# Altium PCB IRVT-001.PcbDoc (part 4 of 4) (continued)
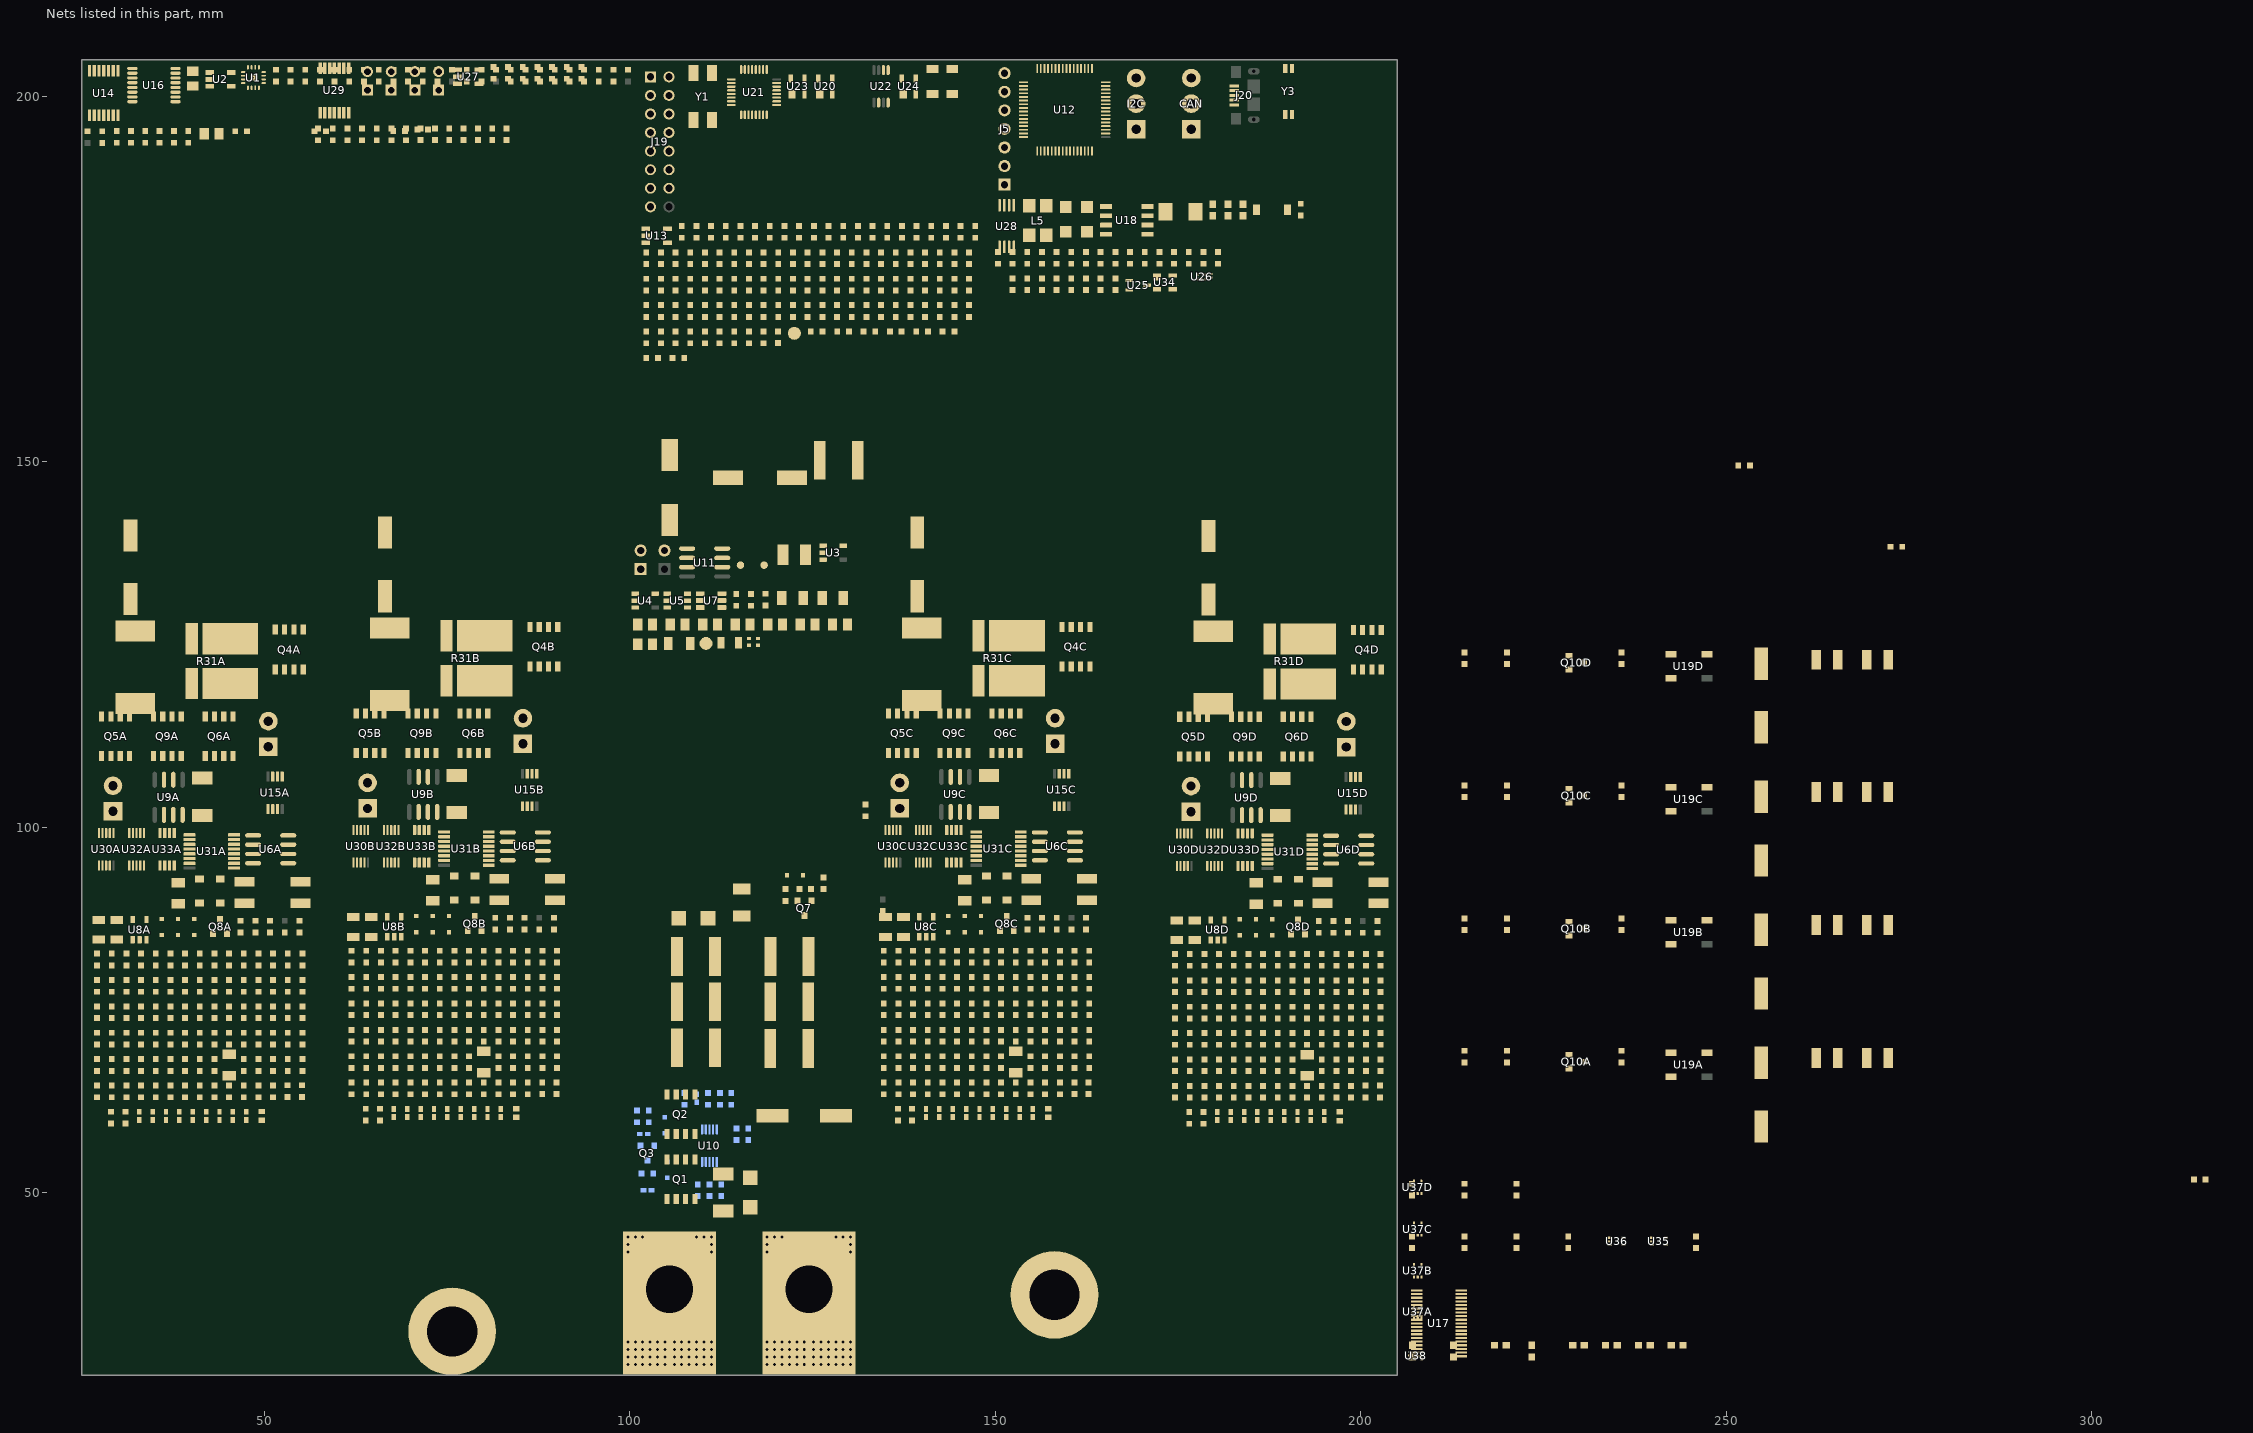
[diagram p5: the nets of this part, all layers, seen from the top]
## Part data (continued)
Y2: "Crystal, 25 MHz, 18 pF, SMD", Frequency="25 MHz", Frequency Stability=±30ppm, Manufacturer="Abracon Corportation", Supplier Part Number 1=535-10645-1-ND, ComponentLink1Description="Datasheet Link", ComponentLink1URL=http://www.abracon.com/Resonators/abm3.pdf, CompType=Crystal, LatestRevisionDate=2015-10-19, MountType=SMT, PackageReference=ABM3, PartNumber=ABM3-25.000MHZ-D2Y-T, Publisher="Texas Instruments", RoHS=Y, Supplier 1=Digi-Key, Supplier 2=Mouser, Supplier 3=Farnell, Supplier Part Number 2=815-ABM3-25-D2Y-T, Supplier Part Number 3=2101328, SymbolCreator=a0412235, SymbolVersion=2008-07-09, TaMax_C=85, TaMin_C=-40, U/M=EA
Y3: "CRYSTAL, 32.768KHZ, 7PF, SMD", Frequency=32.768KHZ, Frequency Stability=±20ppm, Manufacturer="Seiko Instruments", Supplier Part Number 1=728-1065-1-ND, ComponentLink1Description="Datasheet Link", ComponentLink1URL=http://www.sii.co.jp/data/file_PRODUCT_MASTER_1309_GRAPHIC03.pdf, CompType=Crystal, LatestRevisionDate=2015-10-19, MountType=SMT, PackageReference=1.5x1.4x6.7mm, PartNumber=SSPT7F-7PF20-R, Publisher="Texas Instruments", RoHS=Y, Supplier 1=Digi-Key, Supplier 2=Mouser, Supplier Part Number 2=628-SSPT7F-7PF20PPM, SymbolCreator=x0208325, SymbolVersion=2014-01-08, TaMax_C=85, TaMin_C=-40, U/M=EA

## Via types
v1: diameter 0.813, hole 0.406, Top Layer to Bottom Layer, 116 vias

## Nets (pads, with @x,y where several pads share a name; then routed paths per layer and width w, separated by ;. In a path a pad name is that pad's centre, name@x,y a point inside that pad or via, vN(x,y) a via of type N, cw(c..) or ccw(c..) an arc to the next point about the centre after c; other vN are vias at no path point)
12VA: C43A.1 C43B.1 C43C.1 C43D.1 C119A.1 C119B.1 C119C.1 C119D.1 C120A.2 C120B.2 C120C.2 C120D.2 C121A.2 C121B.2 C121C.2 C121D.2
+1.65v: C125.2 C128.1 R91.2 R107.2 R140.2 R142.2 U27.1 U27.4
+3.3v: C52.2 C103.2 C104.2 C105.2 C106.2 C130.1 C162.2 C163.1 C164.2 C174.1 C175.1 C176.2 C182.2 L2.2 NT1.2 NT2.2 NT3.2 NT4.2 R14.1 R15.1 R47.1 R76.1 R78.1 R121.2 R122.2 R123.2 R151.2 R152.2 R168.1 R170.2 R171.2 R188.2 U1.16 U5.3 U12.2 U12.11 U12.26 U12.42 U12.54 U18.3 U21.15 U21.29 U27.5 U28.8 U29.11
+5V: C30A.2 C30B.2 C30C.2 C30D.2 U19A.1 U19B.1 U19C.1 U19D.1
+5VA: C1.1 C19.1 C58.1 C59.1 C60.1 C61.1 C62.1 C75.1 C76.1 C83.2 C133.1 C134.1 C135.1 C136.1 C137.1 C138.1 C139.1 C140.1 C141.1 L1.1 R10.1 R38A.2 R38B.2 R38C.2 R38D.2 R50.2 R58.2 R70.1 R87A.2 R87B.2 R87C.2 R87D.2 R116.2 R131.2 R165.2 R186.2 R187.2 U7.5 U13.2 U16.14 U17.20 U17.25 U17.30 U17.35 U20.4 U21.9 U23.4 U24.4 U34.4
+5VD: R164.2
+9VA: C34.1 C36.1 J4.2 R67A.2 R67B.2 R67C.2 R67D.2 R74A.1 R74B.1 R74C.1 R74D.1 R155A.1 R155B.1 R155C.1 R155D.1 R174A.1 R174B.1 R174C.1 R174D.1 R181A.1 R181B.1 R181C.1 R181D.1 R182A.2 R182B.2 R182C.2 R182D.2 R183A.2 R183B.2 R183C.2 R183D.2 U3.1 U4.1 U6A.7 U6B.7 U6C.7 U6D.7 U8A.5 U8B.5 U8C.5 U8D.5
-5.0v: C84.1 C94.2 U16.3
-5V: C47A.1 C47B.1 C47C.1 C47D.1 C122A.2 C122B.2 C122C.2 C122D.2 J16.1 U6A.4 U6B.4 U6C.4 U6D.4
-5VA: U8A.2 U8B.2 U8C.2 U8D.2
ADC.CS: J19.6 U12.20
ADC.DONE: J19.12 U12.47
ADC.DRDY: J19.10 U12.48
ADC.MISO: J19.2 U12.22
ADC.MOSI: J19.4 U12.21
ADC.SCLK: J19.8 U12.19
ADC_SPI_CS: J19.5 U21.23
ADC_SPI_DONE: J19.11 R123.1 U21.18
ADC_SPI_DRDY: J19.9 U21.19
ADC_SPI_MISO: J19.1 R122.1 U21.21
ADC_SPI_MOSI: J19.3 U21.20
ADC_SPI_SCLK: J19.7 R138.2 U21.22
ADC_VCOM: C68.1 R20.1 R68.2 R72.1 R73.2 U13.1 U13.4
ADC_VREF: C155.1 R3.1 R133.2 U21.14
AGND: C1.2 C2.2 C3.2 C13.2 C14.2 C16.1 C19.2 C22.2 C26.1 C28.2 C34.2 C35.2 C36.2 C37.2 C43A.2 C43B.2 C43C.2 C43D.2 C44.1 C45A.2 C45B.2 C45C.2 C45D.2 C46A.2 C46B.2 C46C.2 C46D.2 C47A.2 C47B.2 C47C.2 C47D.2 C50.2 C51.1 C52.1 C53.1 C55A.1 C55B.1 C55C.1 C55D.1 C56A.2 C56B.2 C56C.2 C56D.2 C58.2 C59.2 C60.2 C61.2 C62.2 C67.2 C68.2 C70.2 C71.2 C73.1 C75.2 C76.2 C78.2 C79A.2 C79B.2 C79C.2 C79D.2 C82A.2 C82B.2 C82C.2 C82D.2 C83.1 C84.2 C85A.1 C85B.1 C85C.1 C85D.1 C86A.2 C86B.2 C86C.2 C86D.2 C88A.1 C88B.1 C88C.1 C88D.1 C89A.1 C89B.1 C89C.1 C89D.1 C90A.1 C90B.1 C90C.1 C90D.1 C91A.2 C91B.2 C91C.2 C91D.2 C94.1 C95A.1 C95B.1 C95C.1 C95D.1 C96A.1 C96B.1 C96C.1 C96D.1 C99A.2 C99B.2 C99C.2 C99D.2 C100A.2 C100B.2 C100C.2 C100D.2 C115.1 C116.2 C117.1 C119A.2 C119B.2 C119C.2 C119D.2 C120A.1 C120B.1 C120C.1 C120D.1 C121A.1 C121B.1 C121C.1 C121D.1 C122A.1 C122B.1 C122C.1 C122D.1 C123.2 C125.1 C126.1 C127.2 C128.2 C129.1 C130.2 C131.2 C132.2 C133.2 C134.2 C135.2 C136.2 C137.2 C138.2 C139.2 C140.2 C141.2 C145.1 C146.1 C149.1 C152.2 C153.2 C155.2 C156.2 C157.2 C158.2 C159.2 C160.2 C161.2 C162.1 C163.2 C164.1 J19.13 J19.14 J19.15 NT5.1 R55.1 R63.1 R71.2 R80.1 R89A.1 R89B.1 R89C.1 R89D.1 R98.2 R99.2 R100A.1 R100B.1 R100C.1 R100D.1 R105.2 R106.1 R126.1 R138.1 R139.1 R144.1 R145.1 R161.2 R162.2 R166A.2 R166B.2 R166C.2 R166D.2 R175A.2 R175B.2 R175C.2 R175D.2 R176A.2 R176B.2 R176C.2 R176D.2 U1.6 U1.17 U2.5 U3.2 U4.2 U5.2 U7.1 U9A.4 U9B.4 U9C.4 U9D.4 U11.2 U11.3 U11.6 U11.7 U12.3 U13.5 U14.11 U16.15 U17.5 U17.10 U17.15 U17.23 U17.24 U17.28 U17.29 U17.33 U17.34 U17.38 U20.1 U21.10 U21.11 U21.13 U21.27 U21.31 U21.32 U22.4 U23.1 U24.1 U27.2 U29.4 U31A.9 U31A.10 U31B.9 U31B.10 U31C.9 U31C.10 U31D.9 U31D.10 U33A.4 U33B.4 U33C.4 U33D.4 U34.1 U35.2 U36.2 U37A.2 U37B.2 U37C.2 U37D.2 Y1.2 Y1.4
BATA_N: BN1A.2 C48A.2 R159A.2 R177A.2 U37A.1
BATA_P: BP1A.1 C48A.1 F1A.2 R157A.2 U37A.4
BATB_N: BN1B.2 C48B.2 R159B.2 R177B.2 U37B.1
BATB_P: BP1B.1 C48B.1 F1B.2 R157B.2 U37B.4
BATC_N: BN1C.2 C48C.2 R159C.2 R177C.2 U37C.1
BATC_P: BP1C.1 C48C.1 F1C.2 R157C.2 U37C.4
BATD_N: BN1D.2 C48D.2 R159D.2 R177D.2 U37D.1
BATD_P: BP1D.1 C48D.1 F1D.2 R157D.2 U37D.4
CAN0.RX: U12.59 U18.4
CAN0.TX: U12.60 U18.1
CAN_EXT_N: C173.1 CAN.2 L5.2 R150.1 U25.1
CAN_EXT_P: C165.1 CAN.1 L5.3 R148.2 U25.2
CAN_INT_N: L5.1 U18.6
CAN_INT_P: L5.4 U18.7
CCA: C93A.1 D17A.1 R101A.2 U9A.6
CCB: C93B.1 D17B.1 R101B.2 U9B.6
CCC: C93C.1 D17C.1 R101C.2 U9C.6
CCD: C93D.1 D17D.1 R101D.2 U9D.6
CHARGE.EnableA: R7A.1 R44A.1 U12.64
CHARGE.EnableB: R7B.1 R44B.1 U12.62
CHARGE.EnableC: R7C.1 R44C.1 U12.13
CHARGE.EnableD: R7D.1 R44D.1 U12.15
CHG.ENA: D10A.2 Q10A.3 R44A.2 U30A.7
CHG.ENB: D10B.2 Q10B.3 R44B.2 U30B.7
CHG.ENC: D10C.2 Q10C.3 R44C.2 U30C.7
CHG.END: D10D.2 Q10D.3 R44D.2 U30D.7
CSA_N: R31A.3 R60A.1
CSA_P: R31A.4 R61A.1
CSB_N: R31B.3 R60B.1
CSB_P: R31B.4 R61B.1
CSC_N: R31C.3 R60C.1
CSC_P: R31C.4 R61C.1
CSD_N: R31D.3 R60D.1
CSD_P: R31D.4 R61D.1
CVA: C170A.1 D18A.1 R184A.2 U33A.7
CVB: C170B.1 D18B.1 R184B.2 U33B.7
CVC: C170C.1 D18C.1 R184C.2 U33C.7
CVD: C170D.1 D18D.1 R184D.2 U33D.7
DAC.CS: R14.2 U1.12 U12.57
DAC.MISO: R15.2 U1.15 U12.4
DAC.MOSI: R76.2 U1.14 U12.1
DAC.SCLK: R78.2 U1.13 U12.58
DGND: C102.1 C103.1 C104.1 C105.1 C106.1 C107.2 C108.2 C109.1 C110.2 C111.2 C112.1 C113.1 C114.1 C165.2 C172.1 C173.2 C174.2 C175.2 C176.1 C182.1 CAN.3 I2C.3 J20.5 NT5.2 R147.1 R189.2 S2.1 U12.12 U12.27 U12.35 U12.39 U12.55 U18.2 U25.3 U26.4 U28.1 U28.2 U28.3 U28.4 U38.2 Y3.2 Y3.3
FAULT: R26.1 U12.28
FAULTA: C177A.2 Q10A.1 R7A.2 R8A.2 R158A.1
FAULTB: C177B.2 Q10B.1 R7B.2 R8B.2 R158B.1
FAULTC: C177C.2 Q10C.1 R7C.2 R8C.2 R158C.1
FAULTD: C177D.2 Q10D.1 R7D.2 R8D.2 R158D.1
GND: C30A.1 C30B.1 C30C.1 C30D.1
I2C1.SCL: U12.23
I2C1.SDA: U12.24
I2C_SCL: I2C.1 R152.1 U28.6 U38.4
I2C_SDA: I2C.2 R151.1 U28.5 U38.5
IBAT: R48.1 R114.1 U16.8
IN_EN: U10.5 U12.5
IOUT_SenseA: R86A.1 R88A.1 U6A.6
IOUT_SenseB: R86B.1 R88B.1 U6B.6
IOUT_SenseC: R86C.1 R88C.1 U6C.6
IOUT_SenseD: R86D.1 R88D.1 U6D.6
IREF_1: L7.1 R81.2 U14.1 U20.2
IREF_2: L9.1 R109.2 U14.7 U23.2
IREF_3: L11.1 R82.2 U14.8 U24.2
IREF_4: L13.1 R146.2 U14.14 U34.2
IREF_DAC_1: R85.1 U1.8
IREF_DAC_2: R156.1 U1.9
IREF_DAC_3: R97.1 U1.10
IREF_DAC_4: R160.1 U1.11
IREF_VCOM: C71.1 C116.1 R41.1 R79.2 R80.2 R112.1 U6A.5 U6B.5 U6C.5 U6D.5
ISenseA: U16.4
ISenseB: U16.5
ISenseC: U16.6
ISenseD: U16.7
ISetA: C22.1 L7.2 R77A.1 U35.3
ISetB: C28.1 L9.2 R77B.1 U35.5
ISetC: C123.1 L11.2 R77C.1 U36.3
ISetD: C127.1 L13.2 R77D.1 U36.5
JTAG_RESET: J5.1 R172.1 S2.2
JTAG_TCK: J5.5 U12.52
JTAG_TDI: J5.3 U12.50
JTAG_TDO: J5.2 U12.49
JTAG_TMS: J5.4 U12.51
LED.SDIA: U12.10 U19A.4
LED.SDIB: U19A.2 U19B.4
LED.SDIC: U19B.2 U19C.4
LED.SDID: U19C.2 U19D.4
LED.SDOD: U12.53 U19D.2
MUX.IN.A0: U12.29 U16.1
MUX.IN.A1: U12.30 U16.16
MUX.IN.EN: U12.31 U16.2
NetC2_1: C2.1 C70.1 R4.1 U2.3
NetC3_1: C3.1 C73.2 L1.2 U1.7
NetC4_1: C4.1 C5.1 C6.1 C7.1 C8.1 C9.1 C15.1 D3.1 D22.2 L3.1 Q2.5 Q2.6 Q2.7 Q2.8 R22.1
NetC10A_1: C10A.1 C11A.1 C12A.1 D1A.1 Q6A.5 Q6A.6 Q6A.7 Q6A.8 R35A.2
NetC10B_1: C10B.1 C11B.1 C12B.1 D1B.1 Q6B.5 Q6B.6 Q6B.7 Q6B.8 R35B.2
NetC10C_1: C10C.1 C11C.1 C12C.1 D1C.1 Q6C.5 Q6C.6 Q6C.7 Q6C.8 R35C.2
NetC10D_1: C10D.1 C11D.1 C12D.1 D1D.1 Q6D.5 Q6D.6 Q6D.7 Q6D.8 R35D.2
NetC17A_1: C17A.1 C20A.1 C24A.1 L4A.2 R31A.2
NetC17B_1: C17B.1 C20B.1 C24B.1 L4B.2 R31B.2
NetC17C_1: C17C.1 C20C.1 C24C.1 L4C.2 R31C.2
NetC17D_1: C17D.1 C20D.1 C24D.1 L4D.2 R31D.2
NetC18_1: C18.1 C21.1 R12.1 R41.2 U17.13
NetC18_2: C18.2 R40.1 U17.26
NetC21_2: C21.2 C25.1 R48.2 R52.1 U17.12
NetC23_1: C23.1 R5.2 U21.8
NetC23_2: C23.2 R6.2 U21.7
NetC25_2: C25.2 R49.1 U17.27
NetC27_1: C27.1 C41.1 R53.1 R55.2 U17.18
NetC27_2: C27.2 R54.1 U17.21
NetC29_1: C29.1 D21.1 Q3.1 R16.1
NetC31_2: C31.2 Q7.1 R18.1 R19.1
NetC32_2: C32.2 U10.7
NetC33_2: C33.2 R23.1 R27.1 U10.3
NetC35_1: C35.1 R164.1 U3.5
NetC37_1: C37.1 R165.1 U4.5
NetC41_2: C41.2 C42.1 R56.2 R59.1 U17.17
NetC42_2: C42.2 R57.1 U17.22
NetC45A_1: C45A.1 C81A.1 R102A.2 U6A.2
NetC45B_1: C45B.1 C81B.1 R102B.2 U6B.2
NetC45C_1: C45C.1 C81C.1 R102C.2 U6C.2
NetC45D_1: C45D.1 C81D.1 R102D.2 U6D.2
NetC46A_1: C46A.1 C81A.2 R104A.2 U6A.3
NetC46B_1: C46B.1 C81B.2 R104B.2 U6B.3
NetC46C_1: C46C.1 C81C.2 R104C.2 U6C.3
NetC46D_1: C46D.1 C81D.2 R104D.2 U6D.3
NetC49_1: C49.1 U5.1
NetC49_2: C49.2 L2.1 U5.6
NetC50_1: C50.1 U11.1
NetC55A_2: C55A.2 R77A.2 U9A.3
NetC55B_2: C55B.2 R77B.2 U9B.3
NetC55C_2: C55C.2 R77C.2 U9C.3
NetC55D_2: C55D.2 R77D.2 U9D.3
NetC56A_1: C56A.1 C88A.2 R38A.1 U9A.7
NetC56B_1: C56B.1 C88B.2 R38B.1 U9B.7
NetC56C_1: C56C.1 C88C.2 R38C.1 U9C.7
NetC56D_1: C56D.1 C88D.2 R38D.1 U9D.7
NetC63_1: C63.1 R13.2
NetC63_2: C63.2 R1.1 R20.2
NetC64_1: C64.1 R1.2 U21.6
NetC64_2: C64.2 R2.2 U21.5
NetC65_1: C65.1 R69.2
NetC65_2: C65.2 R2.1 R68.1
NetC66_1: C66.1 R46.2
NetC66_2: C66.2 R5.1 R72.2
NetC67_1: C67.1 R3.2 R70.2 R71.1 U13.3
NetC69_1: C69.1 R51.2
NetC69_2: C69.2 R6.1 R73.1
NetC72_1: C72.1 D24.1 U10.2
NetC74A_1: C74A.1 D8A.1 Q8A.1 R34A.1
NetC74B_1: C74B.1 D8B.1 Q8B.1 R34B.1
NetC74C_1: C74C.1 D8C.1 Q8C.1 R34C.1
NetC74D_1: C74D.1 D8D.1 Q8D.1 R34D.1
NetC77_1: C77.1 U7.6
NetC77_2: C77.2 U7.3
NetC78_1: C78.1 J16.2 U7.2 V-5.1
NetC79A_1: C79A.1 C80A.1 R60A.2 R102A.1
NetC79B_1: C79B.1 C80B.1 R60B.2 R102B.1
NetC79C_1: C79C.1 C80C.1 R60C.2 R102C.1
NetC79D_1: C79D.1 C80D.1 R60D.2 R102D.1
NetC80A_2: C80A.2 C82A.1 R61A.2 R104A.1
NetC80B_2: C80B.2 C82B.1 R61B.2 R104B.1
NetC80C_2: C80C.2 C82C.1 R61C.2 R104C.1
NetC80D_2: C80D.2 C82D.1 R61D.2 R104D.1
NetC85A_2: C85A.2 C86A.1 R87A.1 U15A.1
NetC85B_2: C85B.2 C86B.1 R87B.1 U15B.1
NetC85C_2: C85C.2 C86C.1 R87C.1 U15C.1
NetC85D_2: C85D.2 C86D.1 R87D.1 U15D.1
NetC87A_2: C87A.2 R43A.2 R67A.1 U8A.1
NetC87B_2: C87B.2 R43B.2 R67B.1 U8B.1
NetC87C_2: C87C.2 R43C.2 R67C.1 U8C.1
NetC87D_2: C87D.2 R43D.2 R67D.1 U8D.1
NetC89A_2: C89A.2 R86A.2 U15A.3
NetC89B_2: C89B.2 R86B.2 U15B.3
NetC89C_2: C89C.2 R86C.2 U15C.3
NetC89D_2: C89D.2 R86D.2 U15D.3
NetC90A_2: C90A.2 C118A.2 C170A.2 R96A.2 R176A.1 U33A.6
NetC90B_2: C90B.2 C118B.2 C170B.2 R96B.2 R176B.1 U33B.6
NetC90C_2: C90C.2 C118C.2 C170C.2 R96C.2 R176C.1 U33C.6
NetC90D_2: C90D.2 C118D.2 C170D.2 R96D.2 R176D.1 U33D.6
NetC91A_1: C91A.1 R95A.2
NetC91B_1: C91B.1 R95B.2
NetC91C_1: C91C.1 R95C.2
NetC91D_1: C91D.1 R95D.2
NetC92A_1: C92A.1 R101A.1
NetC92A_2: C92A.2 C93A.2 R88A.2 U9A.2
NetC92B_1: C92B.1 R101B.1
NetC92B_2: C92B.2 C93B.2 R88B.2 U9B.2
NetC92C_1: C92C.1 R101C.1
NetC92C_2: C92C.2 C93C.2 R88C.2 U9C.2
NetC92D_1: C92D.1 R101D.1
NetC92D_2: C92D.2 C93D.2 R88D.2 U9D.2
NetC95A_2: C95A.2 R93A.2 U33A.5
NetC95B_2: C95B.2 R93B.2 U33B.5
NetC95C_2: C95C.2 R93C.2 U33C.5
NetC95D_2: C95D.2 R93D.2 U33D.5
NetC96A_2: C96A.2 R94A.2 R175A.1 U15A.5
NetC96B_2: C96B.2 R94B.2 R175B.1 U15B.5
NetC96C_2: C96C.2 R94C.2 R175C.1 U15C.5
NetC96D_2: C96D.2 R94D.2 R175D.1 U15D.5
NetC97A_1: C97A.1 D15A.1 R39A.2 R42A.1 R181A.2 U32A.2
NetC97B_1: C97B.1 D15B.1 R39B.2 R42B.1 R181B.2 U32B.2
NetC97C_1: C97C.1 D15C.1 R39C.2 R42C.1 R181C.2 U32C.2
NetC97D_1: C97D.1 D15D.1 R39D.2 R42D.1 R181D.2 U32D.2
NetC98A_2: C98A.2 U32A.7
NetC98B_2: C98B.2 U32B.7
NetC98C_2: C98C.2 U32C.7
NetC98D_2: C98D.2 U32D.7
NetC99A_1: C99A.1 R155A.2 U33A.8
NetC99B_1: C99B.1 R155B.2 U33B.8
NetC99C_1: C99C.1 R155C.2 U33C.8
NetC99D_1: C99D.1 R155D.2 U33D.8
NetC101A_1: C101A.1 R92A.1 U31A.2 U31A.14 U31A.15
NetC101B_1: C101B.1 R92B.1 U31B.2 U31B.14 U31B.15
NetC101C_1: C101C.1 R92C.1 U31C.2 U31C.14 U31C.15
NetC101D_1: C101D.1 R92D.1 U31D.2 U31D.14 U31D.15
NetC102_2: C102.2 R168.2 U12.37
NetC107_1: C107.1 C108.1 C109.2 U12.25 U12.56
NetC110_1: C110.1 U12.40 Y2.2
NetC111_1: C111.1 R169.1 Y2.1
NetC112_2: C112.2 R170.1 R172.2 U12.38
NetC113_2: C113.2 U12.36 Y3.1
NetC114_2: C114.2 U12.34 Y3.4
NetC115_2: C115.2 R186.1 U2.2
NetC117_2: C117.2 R187.1 U14.4
NetC118A_1: C118A.1 R184A.1
NetC118B_1: C118B.1 R184B.1
NetC118C_1: C118C.1 R184C.1
NetC118D_1: C118D.1 R184D.1
NetC124A_1: C124A.1 U31A.5
NetC124A_2: C124A.2 C169A.2 R179A.1 U31A.1 U31A.4 U31A.7 U31A.13 U31A.16
NetC124B_1: C124B.1 U31B.5
NetC124B_2: C124B.2 C169B.2 R179B.1 U31B.1 U31B.4 U31B.7 U31B.13 U31B.16
NetC124C_1: C124C.1 U31C.5
NetC124C_2: C124C.2 C169C.2 R179C.1 U31C.1 U31C.4 U31C.7 U31C.13 U31C.16
NetC124D_1: C124D.1 U31D.5
NetC124D_2: C124D.2 C169D.2 R179D.1 U31D.1 U31D.4 U31D.7 U31D.13 U31D.16
NetC129_2: C129.2 R47.2 R105.1 U27.3
NetC142_1: C142.1 C143.1 R111.1 R112.2 U17.3
NetC142_2: C142.2 R113.1 U17.36
NetC143_2: C143.2 C144.1 R114.2 R117.1 U17.2
NetC144_2: C144.2 R115.1 U17.37
NetC145_2: C145.2 C146.2 U21.12
NetC147_1: C147.1 R118.2 U21.1
NetC147_2: C147.2 R119.2 U21.2
NetC148_1: C148.1 R125.2 U21.3
NetC148_2: C148.2 R127.2 U21.4
NetC149_2: C149.2 R121.1 U21.17
NetC150_1: C150.1 C151.1 R124.1 R126.2 U17.8
NetC150_2: C150.2 R128.1 U17.31
NetC151_2: C151.2 C154.1 R129.2 R132.1 U17.7
NetC152_1: C152.1 R135.2 Y1.1
NetC153_1: C153.1 R136.1 Y1.3
NetC154_2: C154.2 R130.1 U17.32
NetC156_1: C156.1 U21.28
NetC157_1: C157.1 U22.5
NetC158_1: C158.1 C159.1 R133.1 R134.2 U22.6 VREF_ADC.1
NetC161_1: C161.1 R134.1
NetC166A_2: C166A.2 R29A.2
NetC166B_2: C166B.2 R29B.2
NetC166C_2: C166C.2 R29C.2
NetC166D_2: C166D.2 R29D.2
NetC167A_1: C167A.1 D11A.1 U30A.2
NetC167B_1: C167B.1 D11B.1 U30B.2
NetC167C_1: C167C.1 D11C.1 U30C.2
NetC167D_1: C167D.1 D11D.1 U30D.2
NetC169A_1: C169A.1 R174A.2 U31A.12
NetC169B_1: C169B.1 R174B.2 U31B.12
NetC169C_1: C169C.1 R174C.2 U31C.12
NetC169D_1: C169D.1 R174D.2 U31D.12
NetC171A_1: C171A.1 D11A.2 R182A.1 U30A.1
NetC171B_1: C171B.1 D11B.2 R182B.1 U30B.1
NetC171C_1: C171C.1 D11C.2 R182C.1 U30C.1
NetC171D_1: C171D.1 D11D.2 R182D.1 U30D.1
NetC172_2: C172.2 R148.1 R150.2
NetC183A_2: C183A.2 R178A.2 R185A.1 U33A.2
NetC183B_2: C183B.2 R178B.2 R185B.1 U33B.2
NetC183C_2: C183C.2 R178C.2 R185C.1 U33C.2
NetC183D_2: C183D.2 R178D.2 R185D.1 U33D.2
NetD2A_2: D2A.2 Q6A.4 R32A.1
NetD2B_2: D2B.2 Q6B.4 R32B.1
NetD2C_2: D2C.2 Q6C.4 R32C.1
NetD2D_2: D2D.2 Q6D.4 R32D.1
NetD5A_2: D5A.2 F1A.1 Q5A.5 Q5A.6 Q5A.7 Q5A.8
NetD5B_2: D5B.2 F1B.1 Q5B.5 Q5B.6 Q5B.7 Q5B.8
NetD5C_2: D5C.2 F1C.1 Q5C.5 Q5C.6 Q5C.7 Q5C.8
NetD5D_2: D5D.2 F1D.1 Q5D.5 Q5D.6 Q5D.7 Q5D.8
NetD6_2: D6.2 R18.2
NetD8A_2: D8A.2 Q4A.1 Q4A.2 Q4A.3 Q5A.1 Q5A.2 Q5A.3 Q8A.2
NetD8B_2: D8B.2 Q4B.1 Q4B.2 Q4B.3 Q5B.1 Q5B.2 Q5B.3 Q8B.2
NetD8C_2: D8C.2 Q4C.1 Q4C.2 Q4C.3 Q5C.1 Q5C.2 Q5C.3 Q8C.2
NetD8D_2: D8D.2 Q4D.1 Q4D.2 Q4D.3 Q5D.1 Q5D.2 Q5D.3 Q8D.2
NetD9A_2: D9A.2 Q9A.4 R33A.1
NetD9B_2: D9B.2 Q9B.4 R33B.1
NetD9C_2: D9C.2 Q9C.4 R33C.1
NetD9D_2: D9D.2 Q9D.4 R33D.1
NetD10A_1: D10A.1 D10B.1 D10C.1 D10D.1 Q7.3
NetD12A_1: D12A.1 R36A.1 U32A.10
NetD12B_1: D12B.1 R36B.1 U32B.10
NetD12C_1: D12C.1 R36C.1 U32C.10
NetD12D_1: D12D.1 R36D.1 U32D.10
NetD16A_2: D16A.2 R75A.2
NetD16B_2: D16B.2 R75B.2
NetD16C_2: D16C.2 R75C.2
NetD16D_2: D16D.2 R75D.2
NetD19_1: D19.1 D20.2 D24.2 F2.2 Q1.5 Q1.6 Q1.7 Q1.8 R21.1 R23.2 R25.2
NetD20_1: D20.1 D22.1 D23.2 Q1.4 Q2.4 Q3.3 R17.2
NetD21_2: D21.2 Q1.1 Q1.2 Q1.3 Q2.1 Q2.2 Q2.3 Q3.2
NetD23_1: D23.1 R17.1 U10.10
NetF2_1: F2.1 J1.1 T1.1
  other v1: 99.736,26.469 100.752,26.469 101.768,26.469 102.784,26.469 103.8,26.469 104.816,26.469 106.086,26.469 107.102,26.469 108.118,26.469 109.134,26.469 110.15,26.469 111.166,26.469 99.736,27.485 100.752,27.485 101.768,27.485 102.784,27.485 103.8,27.485 104.816,27.485 106.086,27.485 107.102,27.485 108.118,27.485 109.134,27.485 110.15,27.485 111.166,27.485 99.736,28.501 100.752,28.501 101.768,28.501 102.784,28.501 103.8,28.501 104.816,28.501 106.086,28.501 107.102,28.501 108.118,28.501 109.134,28.501 110.15,28.501 111.166,28.501 99.736,29.517 100.752,29.517 101.768,29.517 102.784,29.517 103.8,29.517 104.816,29.517 106.086,29.517 107.102,29.517 108.118,29.517 109.134,29.517 110.15,29.517 111.166,29.517 99.736,41.868 111.166,41.868 99.736,42.884 111.166,42.884 99.736,43.9 100.752,43.9 101.768,43.9 109.134,43.9 110.15,43.9 111.166,43.9
NetJ5_6: J5.6 U12.17
NetJ5_7: J5.7 U12.18
NetNT1_1: NT1.1 R106.2 U29.3
NetNT2_1: NT2.1 R139.2 U29.5
NetNT3_1: NT3.1 R145.2 U29.10
NetNT4_1: NT4.1 R144.2 U29.12
NetR4_2: R4.2 U1.1
NetR10_2: R10.2 U7.4
NetR12_2: R12.2 R13.1 R40.2
NetR21_2: R21.2 U10.1
NetR22_2: R22.2 U10.9
NetR24A_1: R24A.1 U6A.1
NetR24A_2: R24A.2 U6A.8
NetR24B_1: R24B.1 U6B.1
NetR24B_2: R24B.2 U6B.8
NetR24C_1: R24C.1 U6C.1
NetR24C_2: R24C.2 U6C.8
NetR24D_1: R24D.1 U6D.1
NetR24D_2: R24D.2 U6D.8
NetR25_1: R25.1 R30.1 U10.4
NetR26_2: R26.2 U10.8
NetR28A_2: R28A.2 U31A.3
NetR28B_2: R28B.2 U31B.3
NetR28C_2: R28C.2 U31C.3
NetR28D_2: R28D.2 U31D.3
NetR37A_1: R37A.1 R157A.1 R167A.1
NetR37B_1: R37B.1 R157B.1 R167B.1
NetR37C_1: R37C.1 R157C.1 R167C.1
NetR37D_1: R37D.1 R157D.1 R167D.1
NetR39A_1: R39A.1 U32A.1
NetR39B_1: R39B.1 U32B.1
NetR39C_1: R39C.1 U32C.1
NetR39D_1: R39D.1 U32D.1
NetR42A_2: R42A.2 U32A.9
NetR42B_2: R42B.2 U32B.9
NetR42C_2: R42C.2 U32C.9
NetR42D_2: R42D.2 U32D.9
NetR45_2: R45.2 R91.1 U29.2
NetR46_1: R46.1 R53.2 R54.2
NetR49_2: R49.2 R52.2 R69.1
NetR50_1: R50.1 U17.14
NetR51_1: R51.1 R57.2 R59.2
NetR58_1: R58.1 U17.19
NetR62_1: R62.1 R63.2 U3.3 U4.3 U5.4
NetR64A_2: R64A.2 U30A.6
NetR64B_2: R64B.2 U30B.6
NetR64C_2: R64C.2 U30C.6
NetR64D_2: R64D.2 U30D.6
NetR79_1: R79.1 U2.1 U2.4
NetR81_1: R81.1 R83.2 U14.2
NetR82_1: R82.1 R84.2 U14.9
NetR85_2: R85.2 R98.1 U14.3
NetR89A_2: R89A.2 R90A.1 U15A.2
NetR89B_2: R89B.2 R90B.1 U15B.2
NetR89C_2: R89C.2 R90C.1 U15C.2
NetR89D_2: R89D.2 R90D.1 U15D.2
NetR90A_2: R90A.2 R95A.1
NetR90B_2: R90B.2 R95B.1
NetR90C_2: R90C.2 R95C.1
NetR90D_2: R90D.2 R95D.1
NetR97_2: R97.2 R99.1 U14.10
NetR100A_2: R100A.2 R103A.1 U15A.6
NetR100B_2: R100B.2 R103B.1 U15B.6
NetR100C_2: R100C.2 R103C.1 U15C.6
NetR100D_2: R100D.2 R103D.1 U15D.6
NetR103A_2: R103A.2 R173A.1 U15A.7
NetR103B_2: R103B.2 R173B.1 U15B.7
NetR103C_2: R103C.2 R173C.1 U15C.7
NetR103D_2: R103D.2 R173D.1 U15D.7
NetR107_1: R107.1 R108.2 U29.6
NetR109_1: R109.1 R153.2 U14.6
NetR111_2: R111.2 R113.2 R119.1
NetR115_2: R115.2 R117.2 R118.1
NetR116_1: R116.1 U17.4
NetR120_1: R120.1 U21.30
NetR124_2: R124.2 R127.1 R128.2
NetR125_1: R125.1 R130.2 R132.2
NetR131_1: R131.1 U17.9
NetR135_1: R135.1 R137.2 U21.25
NetR136_2: R136.2 R137.1 U21.26
NetR140_1: R140.1 R141.2 U29.13
NetR142_1: R142.1 R143.2 U29.9
NetR146_1: R146.1 R154.2 U14.13
NetR147_2: R147.2 U18.8
NetR156_2: R156.2 R161.1 U14.5
NetR158A_2: R158A.2 U32A.8
NetR158B_2: R158B.2 U32B.8
NetR158C_2: R158C.2 U32C.8
NetR158D_2: R158D.2 U32D.8
NetR159A_1: R159A.1 R163A.1 R178A.1
NetR159B_1: R159B.1 R163B.1 R178B.1
NetR159C_1: R159C.1 R163C.1 R178C.1
NetR159D_1: R159D.1 R163D.1 R178D.1
NetR160_2: R160.2 R162.1 U14.12
NetR166A_1: R166A.1 R167A.2 U33A.3
NetR166B_1: R166B.1 R167B.2 U33B.3
NetR166C_1: R166C.1 R167C.2 U33C.3
NetR166D_1: R166D.1 R167D.2 U33D.3
NetR169_2: R169.2 U12.41
NetR171_1: R171.1 U12.32
NetR179A_2: R179A.2 U31A.6
NetR179B_2: R179B.2 U31B.6
NetR179C_2: R179C.2 U31C.6
NetR179D_2: R179D.2 U31D.6
NetR180A_2: R180A.2 U30A.8
NetR180B_2: R180B.2 U30B.8
NetR180C_2: R180C.2 U30C.8
NetR180D_2: R180D.2 U30D.8
NetR188_1: R188.1 U18.5
NetR189_1: R189.1 U28.7
OUT_GATEA: D4A.1 D5A.1 D12A.2 Q4A.4 Q5A.4 Q8A.3 R36A.2
OUT_GATEB: D4B.1 D5B.1 D12B.2 Q4B.4 Q5B.4 Q8B.3 R36B.2
OUT_GATEC: D4C.1 D5C.1 D12C.2 Q4C.4 Q5C.4 Q8C.3 R36C.2
OUT_GATED: D4D.1 D5D.1 D12D.2 Q4D.4 Q5D.4 Q8D.3 R36D.2
OUT_OVPA: C168A.2 D4A.2 Q4A.5 Q4A.6 Q4A.7 Q4A.8 R31A.1 R65A.1 R110A.1 R110A.2 U32A.3
OUT_OVPB: C168B.2 D4B.2 Q4B.5 Q4B.6 Q4B.7 Q4B.8 R31B.1 R65B.1 R110B.1 R110B.2 U32B.3
OUT_OVPC: C168C.2 D4C.2 Q4C.5 Q4C.6 Q4C.7 Q4C.8 R31C.1 R65C.1 R110C.1 R110C.2 U32C.3
OUT_OVPD: C168D.2 D4D.2 Q4D.5 Q4D.6 Q4D.7 Q4D.8 R31D.1 R65D.1 R110D.1 R110D.2 U32D.3
OUTPUT.EnableA: U12.63 U32A.5
OUTPUT.EnableB: U12.61 U32B.5
OUTPUT.EnableC: U12.14 U32C.5
OUTPUT.EnableD: U12.16 U32D.5
PGND: C4.2 C5.2 C6.2 C7.2 C8.2 C9.2 C10A.2 C10B.2 C10C.2 C10D.2 C11A.2 C11B.2 C11C.2 C11D.2 C12A.2 C12B.2 C12C.2 C12D.2 C15.2 C17A.2 C17B.2 C17C.2 C17D.2 C20A.2 C20B.2 C20C.2 C20D.2 C24A.2 C24B.2 C24C.2 C24D.2 C29.2 C31.1 C32.1 C33.1 C38.2 C39.2 C40.2 C54.1 C57.2 C72.2 C74A.2 C74B.2 C74C.2 C74D.2 C87A.1 C87B.1 C87C.1 C87D.1 C97A.2 C97B.2 C97C.2 C97D.2 C98A.1 C98B.1 C98C.1 C98D.1 C166A.1 C166B.1 C166C.1 C166D.1 C168A.1 C168B.1 C168C.1 C168D.1 C171A.2 C171B.2 C171C.2 C171D.2 C177A.1 C177B.1 C177C.1 C177D.1 D3.2 D7A.2 D7B.2 D7C.2 D7D.2 D15A.2 D15B.2 D15C.2 D15D.2 D19.2 J2.1 Q7.2 Q9A.1 Q9A.2 Q9A.3 Q9B.1 Q9B.2 Q9B.3 Q9C.1 Q9C.2 Q9C.3 Q9D.1 Q9D.2 Q9D.3 Q10A.2 Q10B.2 Q10C.2 Q10D.2 R8A.1 R8B.1 R8C.1 R8D.1 R16.2 R19.2 R27.2 R30.2 R34A.2 R34B.2 R34C.2 R34D.2 R43A.1 R43B.1 R43C.1 R43D.1 R64A.1 R64B.1 R64C.1 R64D.1 R65A.2 R65B.2 R65C.2 R65D.2 R66A.2 R66B.2 R66C.2 R66D.2 R75A.1 R75B.1 R75C.1 R75D.1 R177A.1 R177B.1 R177C.1 R177D.1 T2.1 U10.6 U30A.9 U30B.9 U30C.9 U30D.9 U32A.6 U32B.6 U32C.6 U32D.6
  other v1: 118.786,26.469 119.802,26.469 120.818,26.469 121.834,26.469 122.85,26.469 123.866,26.469 125.136,26.469 126.152,26.469 127.168,26.469 128.184,26.469 129.2,26.469 130.216,26.469 118.786,27.485 119.802,27.485 120.818,27.485 121.834,27.485 122.85,27.485 123.866,27.485 125.136,27.485 126.152,27.485 127.168,27.485 128.184,27.485 129.2,27.485 130.216,27.485 118.786,28.501 119.802,28.501 120.818,28.501 121.834,28.501 122.85,28.501 123.866,28.501 125.136,28.501 126.152,28.501 127.168,28.501 128.184,28.501 129.2,28.501 130.216,28.501 118.786,29.517 119.802,29.517 120.818,29.517 121.834,29.517 122.85,29.517 123.866,29.517 125.136,29.517 126.152,29.517 127.168,29.517 128.184,29.517 129.2,29.517 130.216,29.517 118.786,41.868 130.216,41.868 118.786,42.884 130.216,42.884 118.786,43.9 119.802,43.9 120.818,43.9 128.184,43.9 129.2,43.9 130.216,43.9
PWM_HOA: D2A.1 R32A.2 U30A.3
PWM_HOB: D2B.1 R32B.2 U30B.3
PWM_HOC: D2C.1 R32C.2 U30C.3
PWM_HOD: D2D.1 R32D.2 U30D.3
PWM_HSA: C167A.2 D1A.2 D7A.1 L4A.1 Q6A.1 Q6A.2 Q6A.3 Q9A.5 Q9A.6 Q9A.7 Q9A.8 R29A.1 U30A.4
PWM_HSB: C167B.2 D1B.2 D7B.1 L4B.1 Q6B.1 Q6B.2 Q6B.3 Q9B.5 Q9B.6 Q9B.7 Q9B.8 R29B.1 U30B.4
PWM_HSC: C167C.2 D1C.2 D7C.1 L4C.1 Q6C.1 Q6C.2 Q6C.3 Q9C.5 Q9C.6 Q9C.7 Q9C.8 R29C.1 U30C.4
PWM_HSD: C167D.2 D1D.2 D7D.1 L4D.1 Q6D.1 Q6D.2 Q6D.3 Q9D.5 Q9D.6 Q9D.7 Q9D.8 R29D.1 U30D.4
PWM_LOA: D9A.1 R33A.2 U30A.10
PWM_LOB: D9B.1 R33B.2 U30B.10
PWM_LOC: D9C.1 R33C.2 U30C.10
PWM_LOD: D9D.1 R33D.2 U30D.10
PWMA: R180A.1 R183A.1 U31A.11
PWMB: R180B.1 R183B.1 U31B.11
PWMC: R180C.1 R183C.1 U31C.11
PWMD: R180D.1 R183D.1 U31D.11
Reverse_ENA: D16A.1 R66A.1 R74A.2 U8A.4 U32A.4
Reverse_ENB: D16B.1 R66B.1 R74B.2 U8B.4 U32B.4
Reverse_ENC: D16C.1 R66C.1 R74C.2 U8C.4 U32C.4
Reverse_END: D16D.1 R66D.1 R74D.2 U8D.4 U32D.4
SLOT.TEMP_1: R45.1 U12.9 U29.1
SLOT.TEMP_2: R108.1 U12.8 U29.7
SLOT.TEMP_3: R143.1 U12.7 U29.8
SLOT.TEMP_4: R141.1 U12.6 U29.14
USB_DM: J20.2 U12.43 U26.1
USB_DP: J20.3 U12.44 U26.2
USB_ID: J20.4 U12.45 U26.3
USB_VBUS: J20.1 R149.1 R149.2 U12.46 U26.6
V3.3_DIGITAL: R120.2 U21.16
V5.0_DAQ: C160.1 U22.2
V_HV: C38.1 C39.1 C40.1 C51.2 C53.2 C57.1 D6.1 L3.2 R35A.1 R35B.1 R35C.1 R35D.1 R62.2 U5.5 U11.8
VBAT: R56.1 R129.1 U16.9
VFB_594A: D17A.2 D18A.2 R28A.1 R92A.2
VFB_594B: D17B.2 D18B.2 R28B.1 R92B.2
VFB_594C: D17C.2 D18C.2 R28C.1 R92C.2
VFB_594D: D17D.2 D18D.2 R28D.1 R92D.2
Vocm1: C131.1 U17.1
Vocm2: C132.1 U17.6
Vocm3: C13.1 U17.11
Vocm4: C14.1 U17.16
VOUT_SenseA: C183A.1 R94A.1 R96A.1 R185A.2 U33A.1
VOUT_SenseB: C183B.1 R94B.1 R96B.1 R185B.2 U33B.1
VOUT_SenseC: C183C.1 R94C.1 R96C.1 R185C.2 U33C.1
VOUT_SenseD: C183D.1 R94D.1 R96D.1 R185D.2 U33D.1
VREF_1: L6.1 U1.2 U20.3
VREF_2: L8.1 U1.3 U23.3
VREF_3: L10.1 U1.4 U24.3
VREF_4: L12.1 U1.5 U34.3
VSA_N: BN1A.1 R163A.2 U37A.3
VSA_P: BP1A.2 R37A.2 U8A.3 U37A.5
VSB_N: BN1B.1 R163B.2 U37B.3
VSB_P: BP1B.2 R37B.2 U8B.3 U37B.5
VSC_N: BN1C.1 R163C.2 U37C.3
VSC_P: BP1C.2 R37C.2 U8C.3 U37C.5
VSD_N: BN1D.1 R163D.2 U37D.3
VSD_P: BP1D.2 R37D.2 U8D.3 U37D.5
VSenseA: C100A.1 R173A.2 U16.13
VSenseB: C100B.1 R173B.2 U16.12
VSenseC: C100C.1 R173C.2 U16.11
VSenseD: C100D.1 R173D.2 U16.10
VSetA: C16.2 L6.2 R93A.1 U35.1
VSetB: C26.2 L8.2 R93B.1 U35.4
VSetC: C44.2 L10.2 R93C.1 U36.1
VSetD: C126.2 L12.2 R93D.1 U36.4
pads on no net: C54.2 C101A.2 C101B.2 C101C.2 C101D.2 J4.1 J19.16 J20.6 J20.7 J20.8 J20.9 J20.10 J20.11 R83.1 R84.1 R153.1 R154.1 U1.V U3.4 U4.4 U9A.1 U9A.5 U9A.8 U9B.1 U9B.5 U9B.8 U9C.1 U9C.5 U9C.8 U9D.1 U9D.5 U9D.8 U11.4 U11.5 U12.33 U15A.4 U15A.8 U15B.4 U15B.8 U15C.4 U15C.8 U15D.4 U15D.8 U19A.3 U19B.3 U19C.3 U19D.3 U21.24 U22.1 U22.3 U22.7 U22.8 U26.5 U30A.5 U30B.5 U30C.5 U30D.5 U31A.8 U31B.8 U31C.8 U31D.8 U38.1 U38.3

## Polygon pours and split planes (outlines as drawn)
no net on Ground Plane (split plane): 204.49,25.51 25.51,25.51 25.51,204.49 204.49,204.49

## Silkscreen, mask and mechanical layers (free items; w line width, h text height)
Mechanical 1:
  lines w0.127: 25,25 25,205 205,205 ; 68.4,77.2 248.4,77.2 248.4,257.2

## Text inside footprints (layer, text, board x,y; h text height)
C10A: Mechanical 5 "+" at 253.583,56.156 h1.02 r90; Top Overlay "+" at 253.593,56.165 h1.02 r90
C10B: Mechanical 5 "+" at 253.583,74.356 h1.02 r90; Top Overlay "+" at 253.593,74.365 h1.02 r90
C10C: Mechanical 5 "+" at 253.583,92.556 h1.02 r90; Top Overlay "+" at 253.593,92.565 h1.02 r90
C10D: Mechanical 5 "+" at 253.583,110.756 h1.02 r90; Top Overlay "+" at 253.593,110.765 h1.02 r90
C15: Mechanical 5 "+" at 116.607,61.722 h1.02; Top Overlay "+" at 116.616,61.712 h1.02
U1: Top Overlay "Designator9" at 46.291,200.897 h1.27 r90